# Altium PCB PCB.PcbDoc (part 1 of 2)
Units mm, origin at the board's own origin, x right, y up, seen from the top; angles counter-clockwise.
Board outline 90 x 90 mm, 4 copper layers (Component Side, Power, Ground Plane, Solder Side), stack 1.474 mm thick; 113 components, 123 nets, 573 pads, 264 vias.
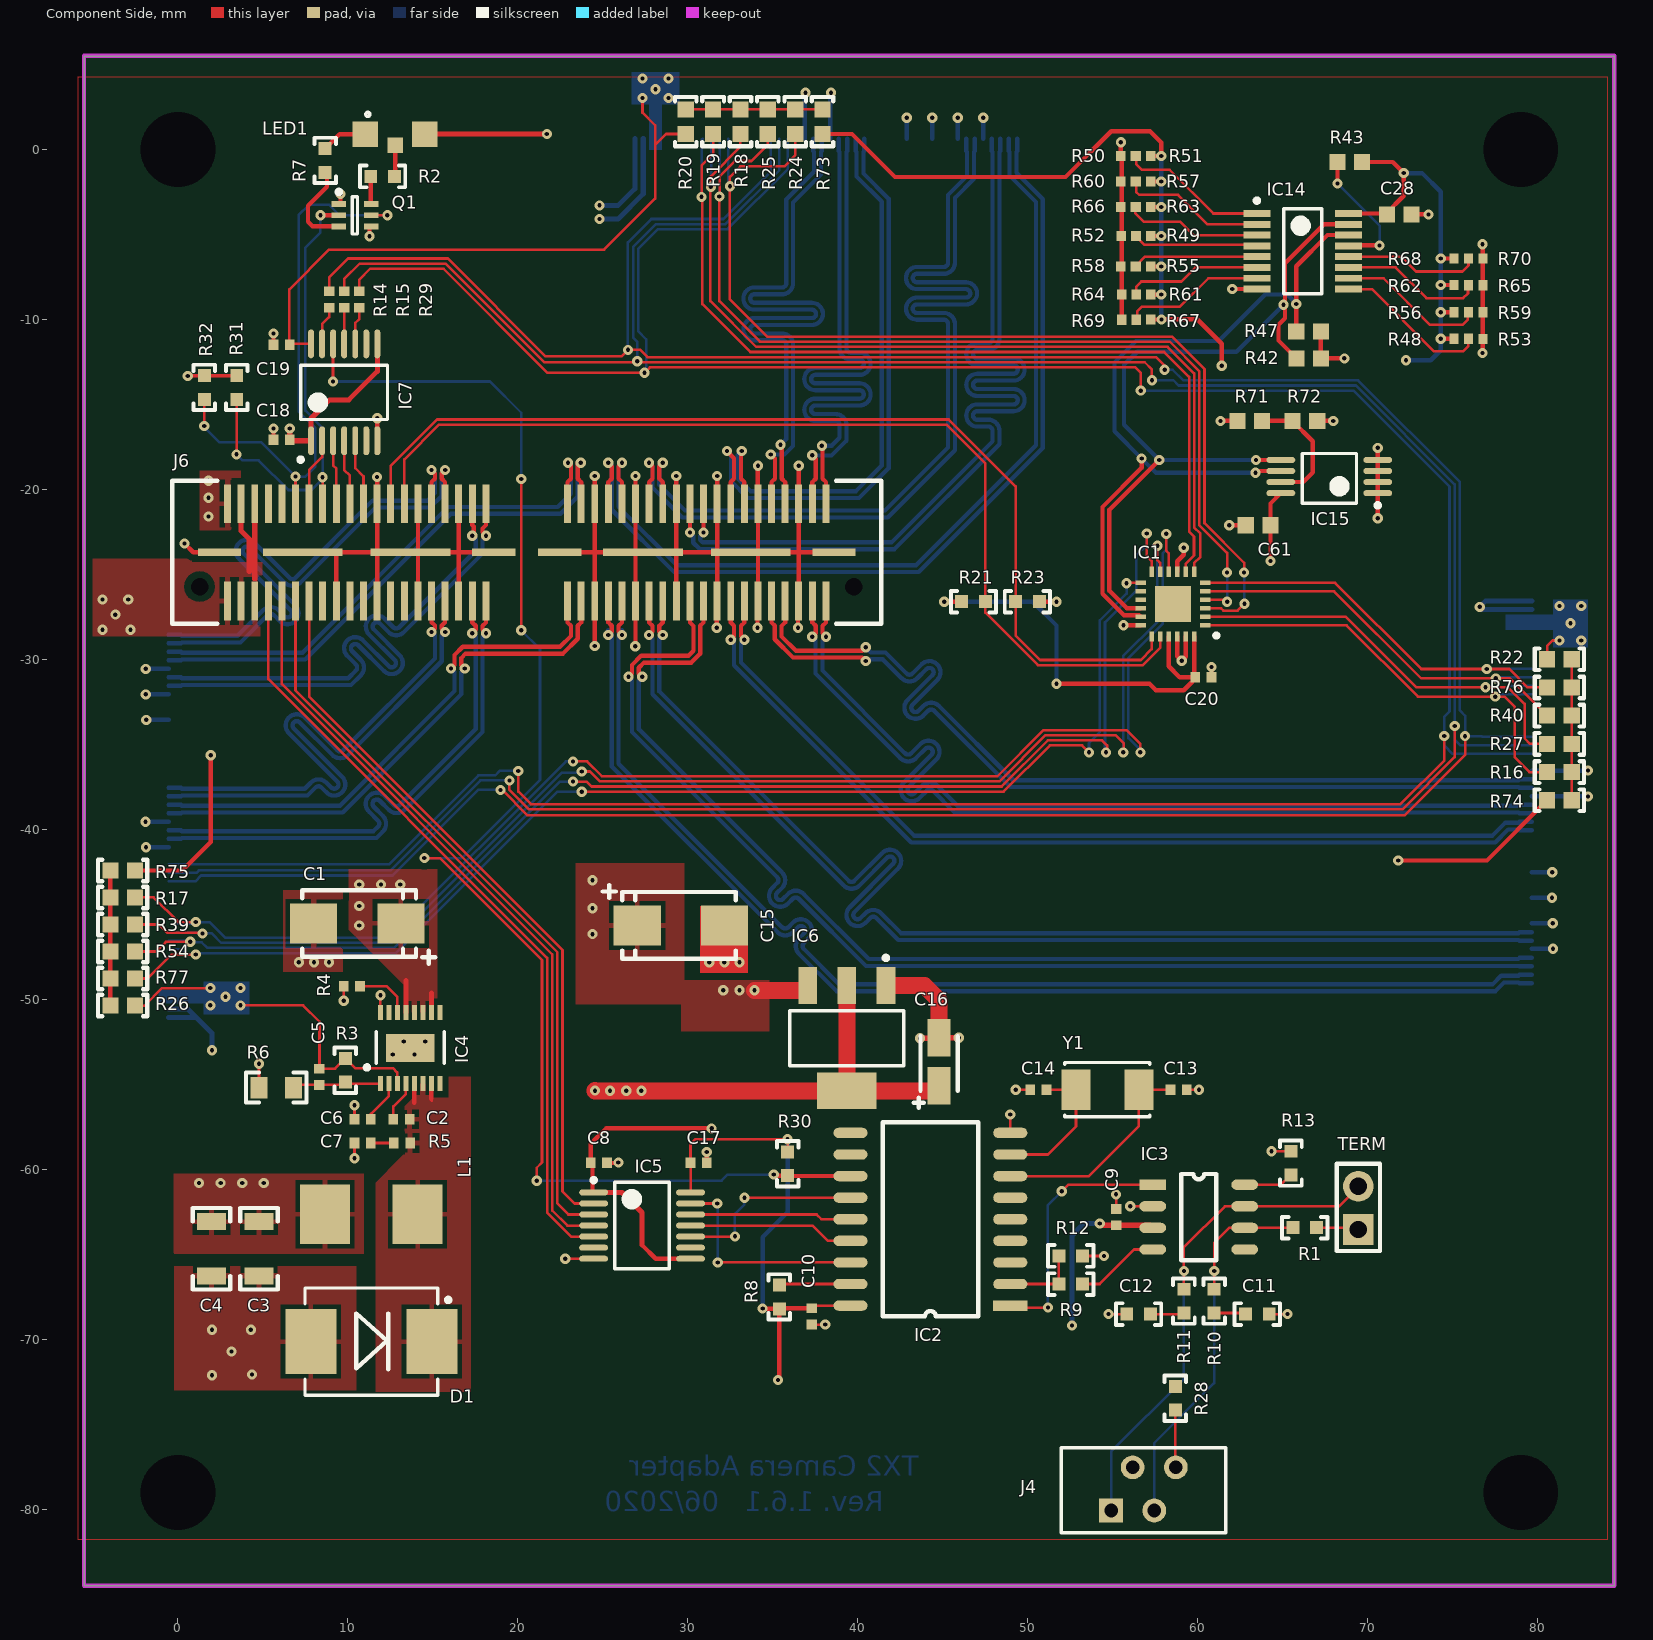
[diagram p0: Component Side view]
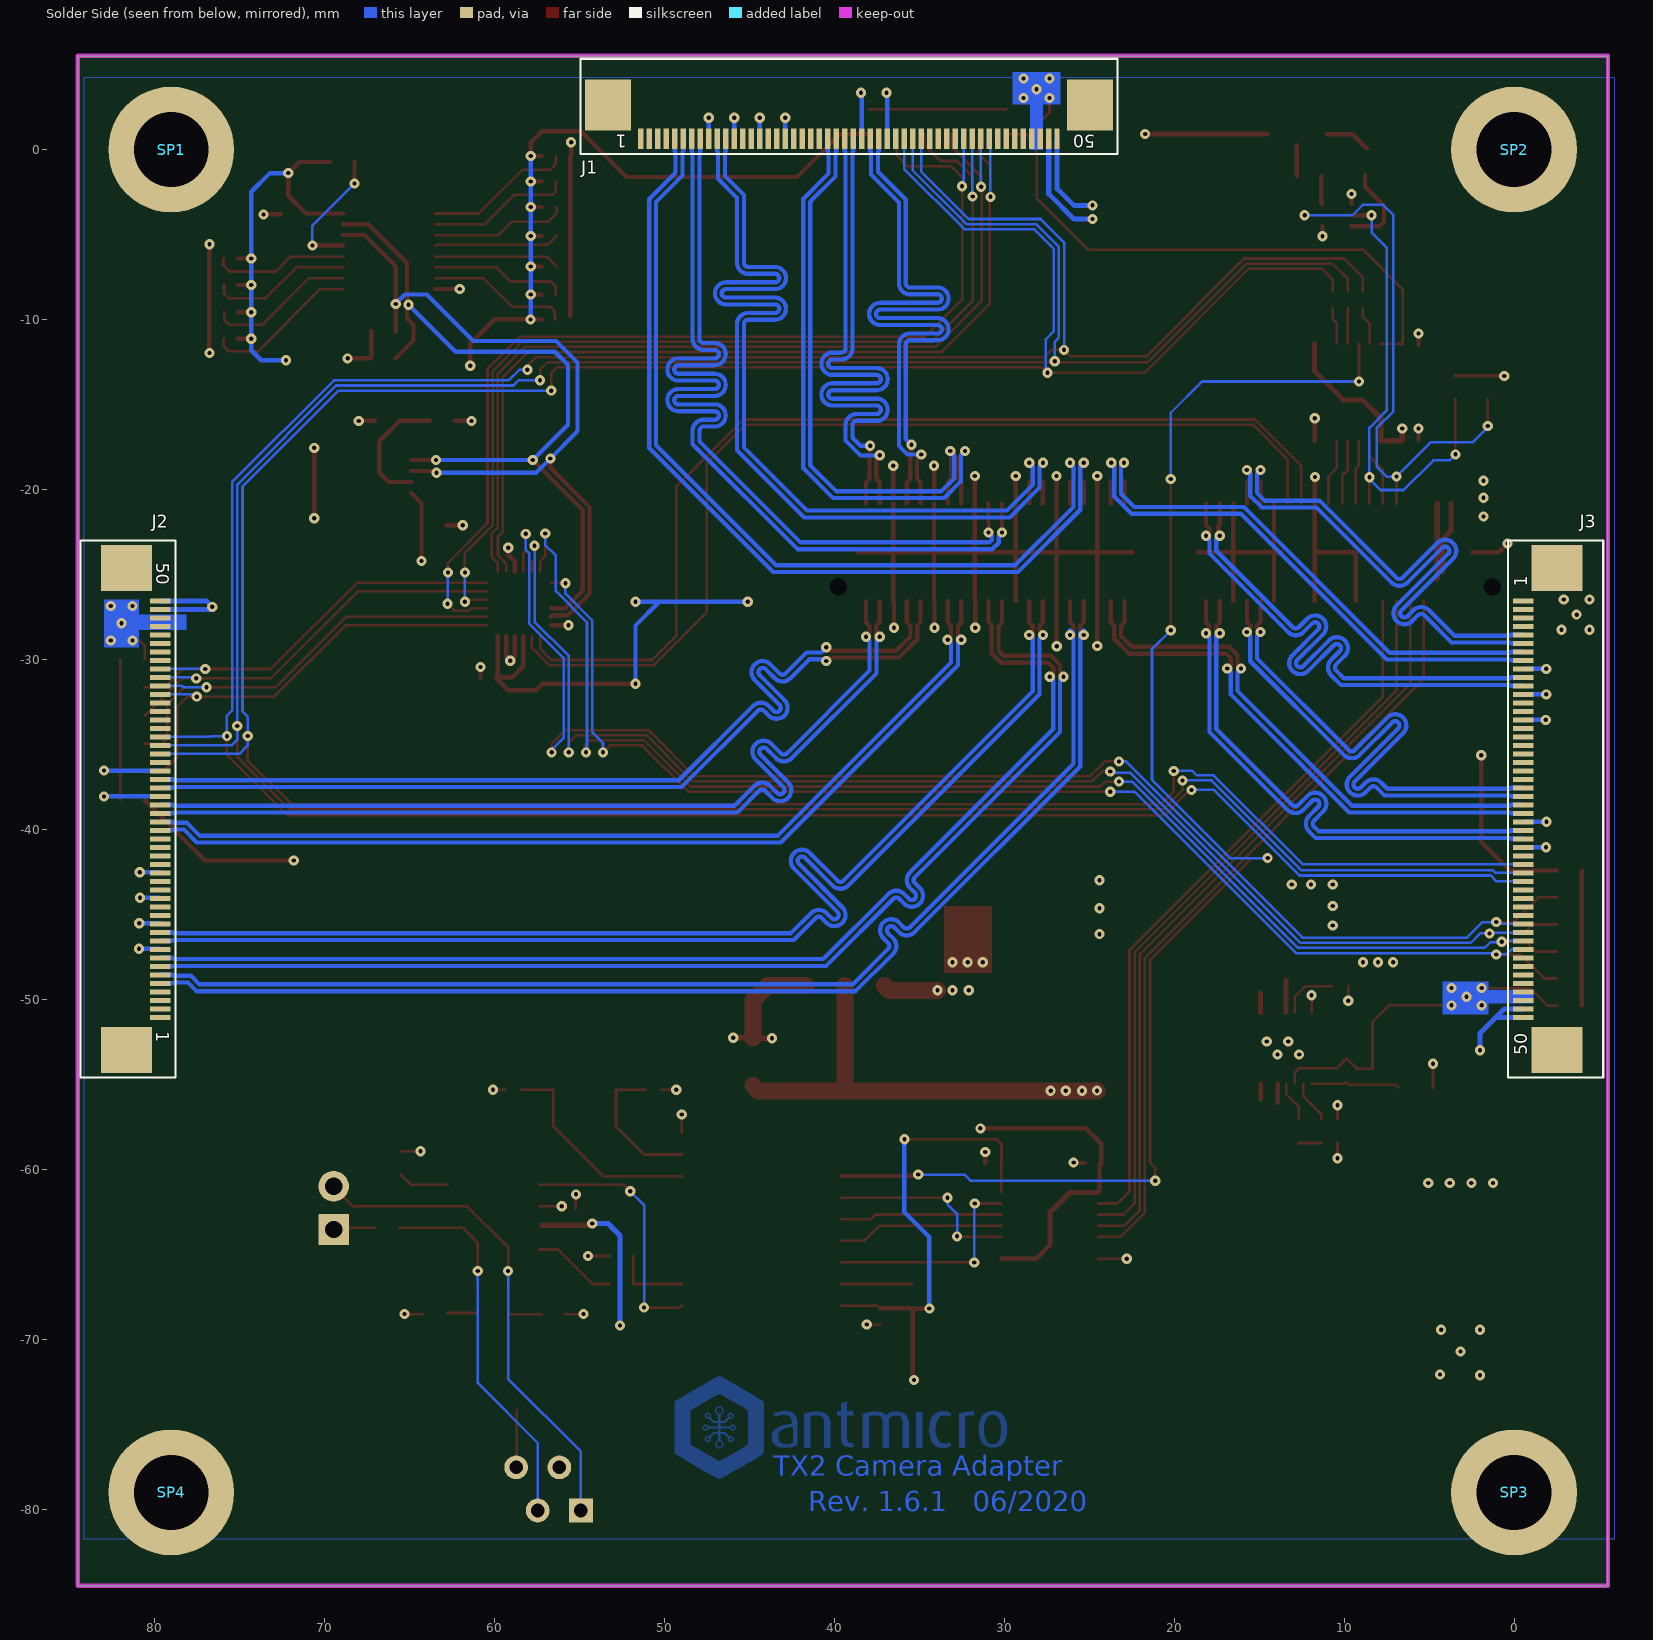
[diagram p1: Solder Side view, seen from below]
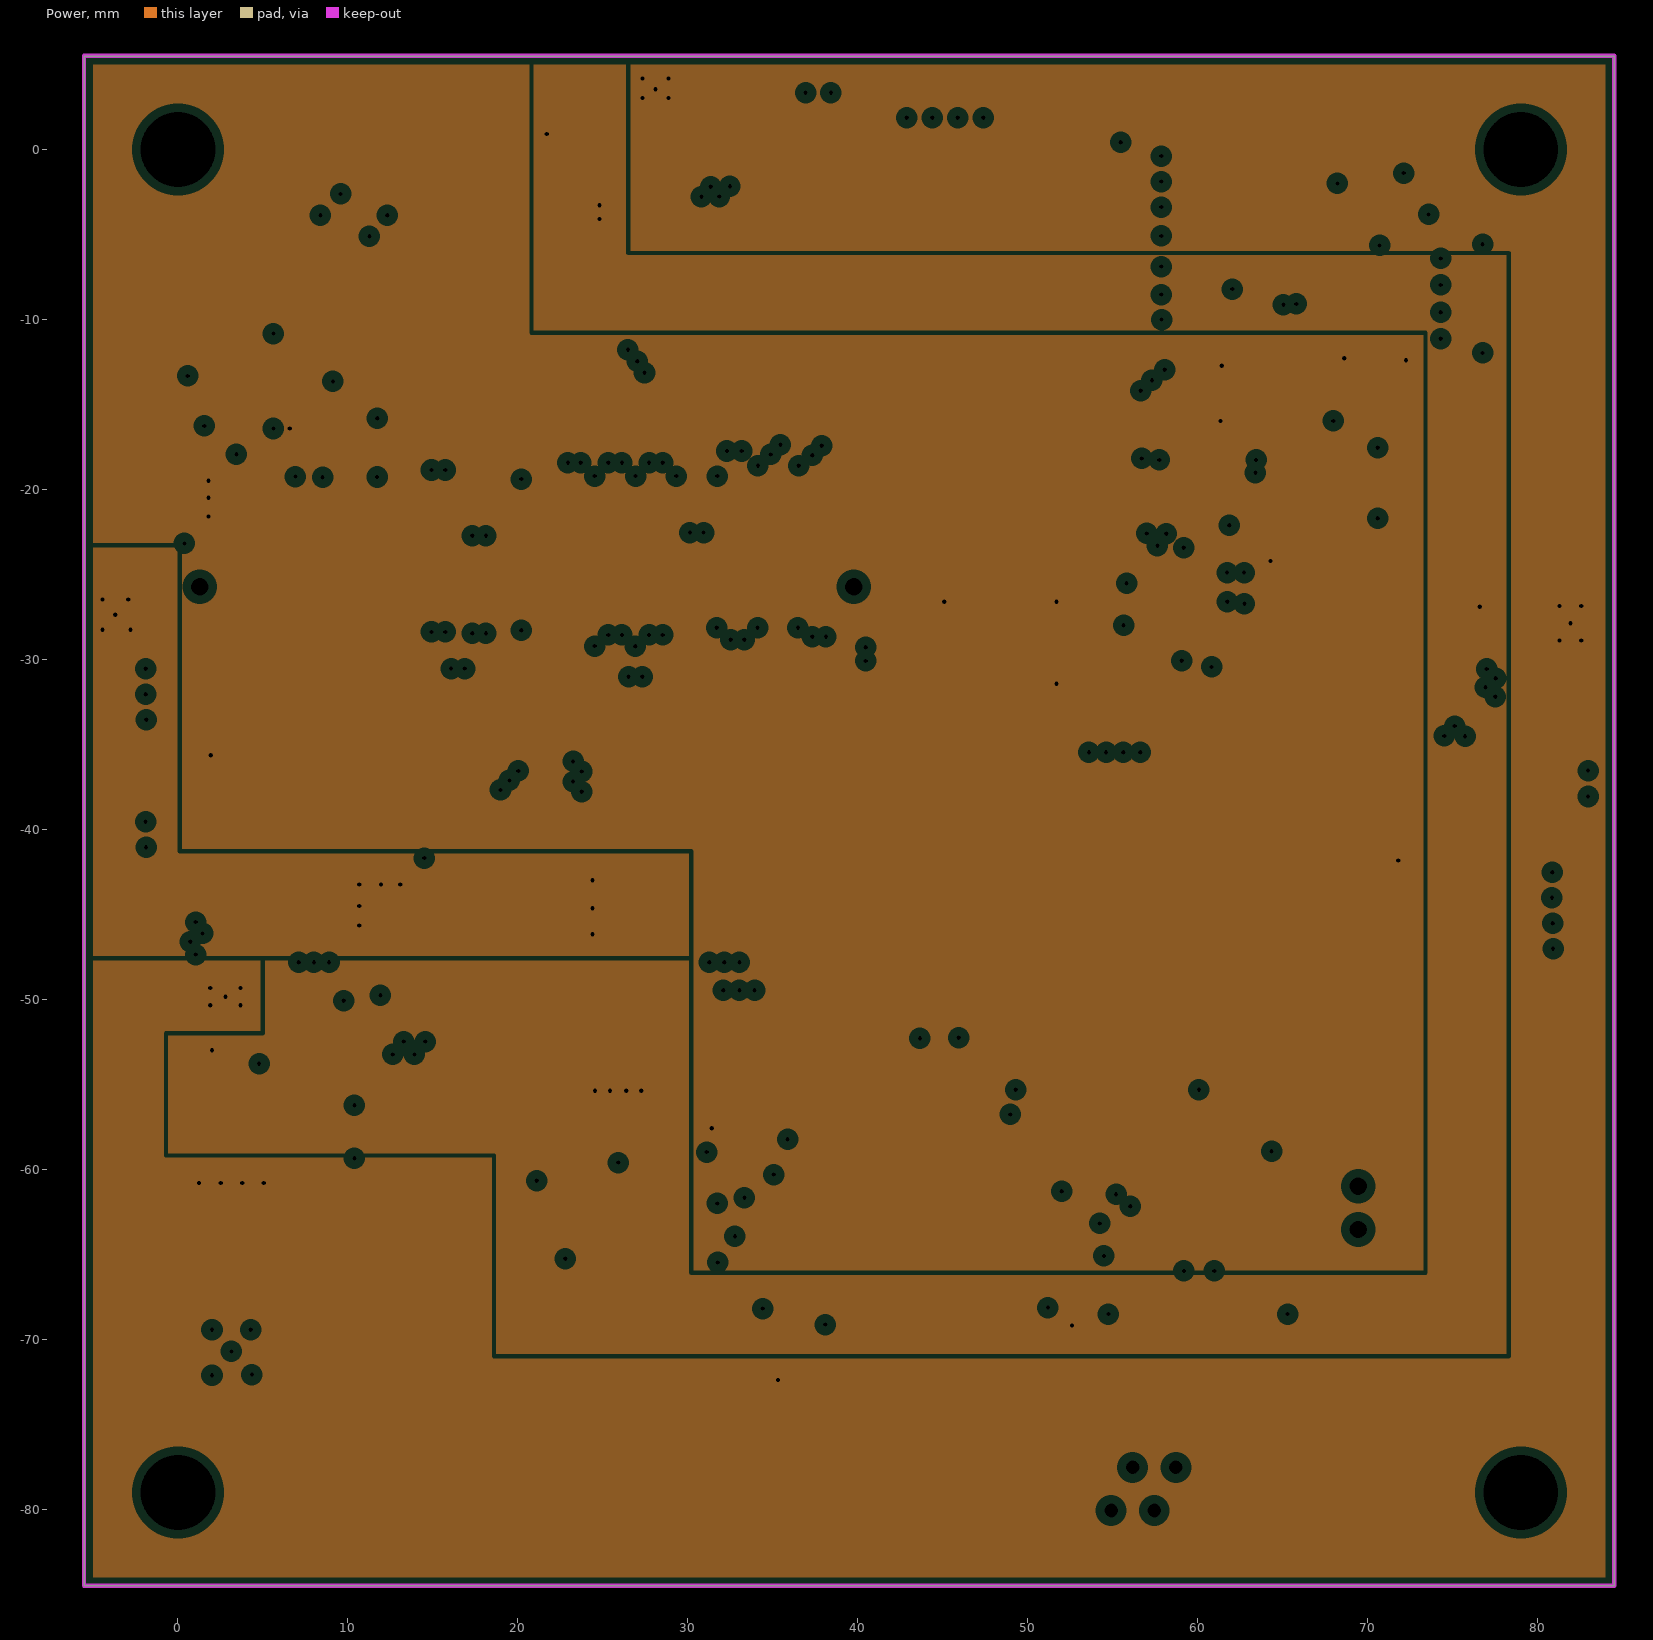
[diagram p2: Power, clearances drawn from the general rule]
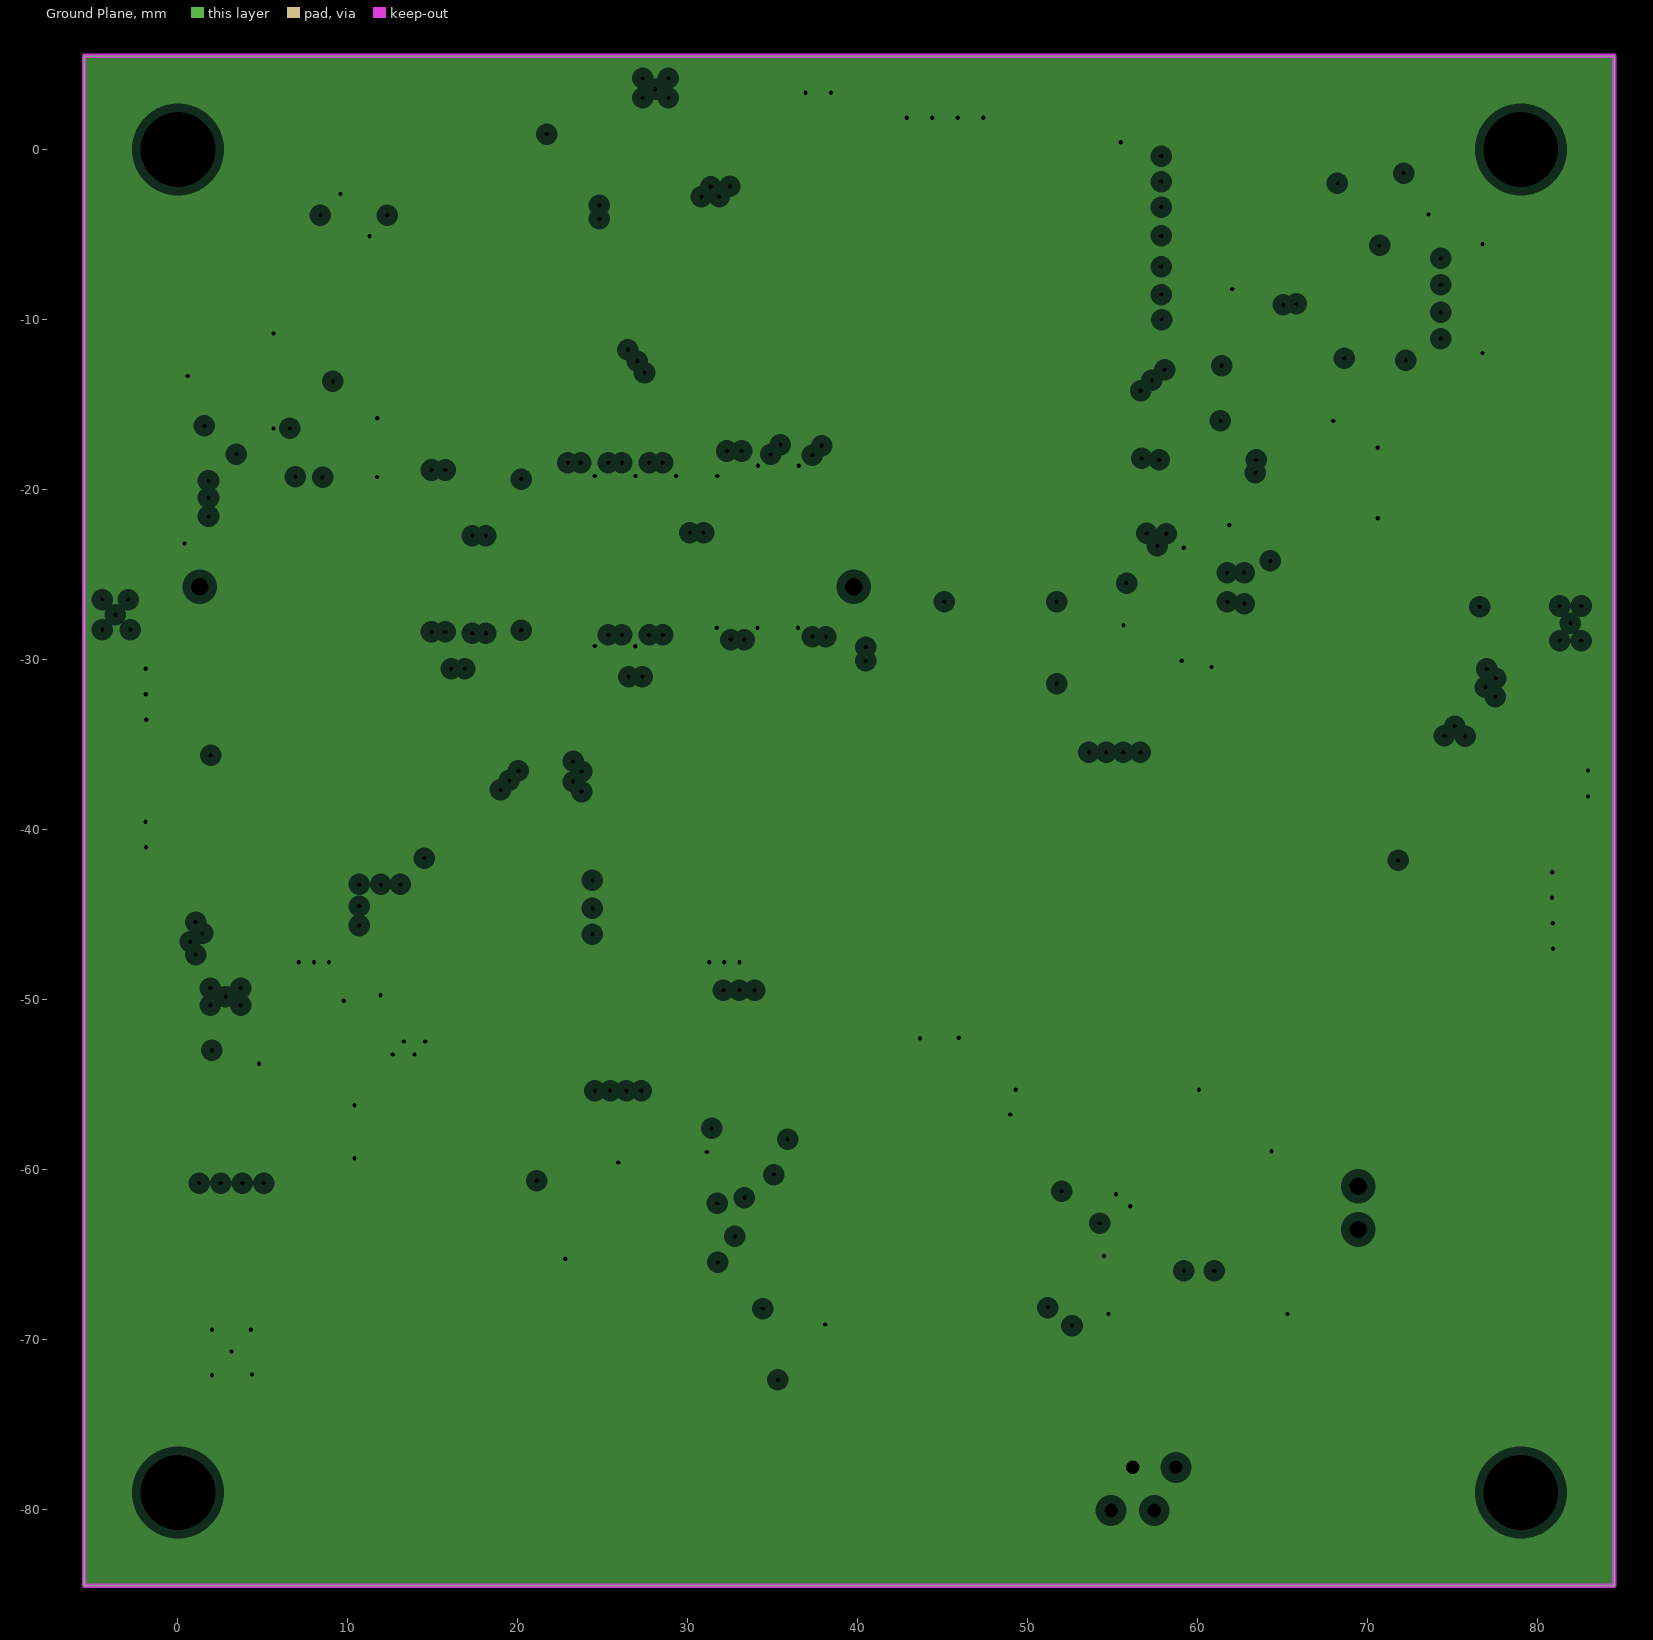
[diagram p3: Ground Plane, clearances drawn from the general rule]
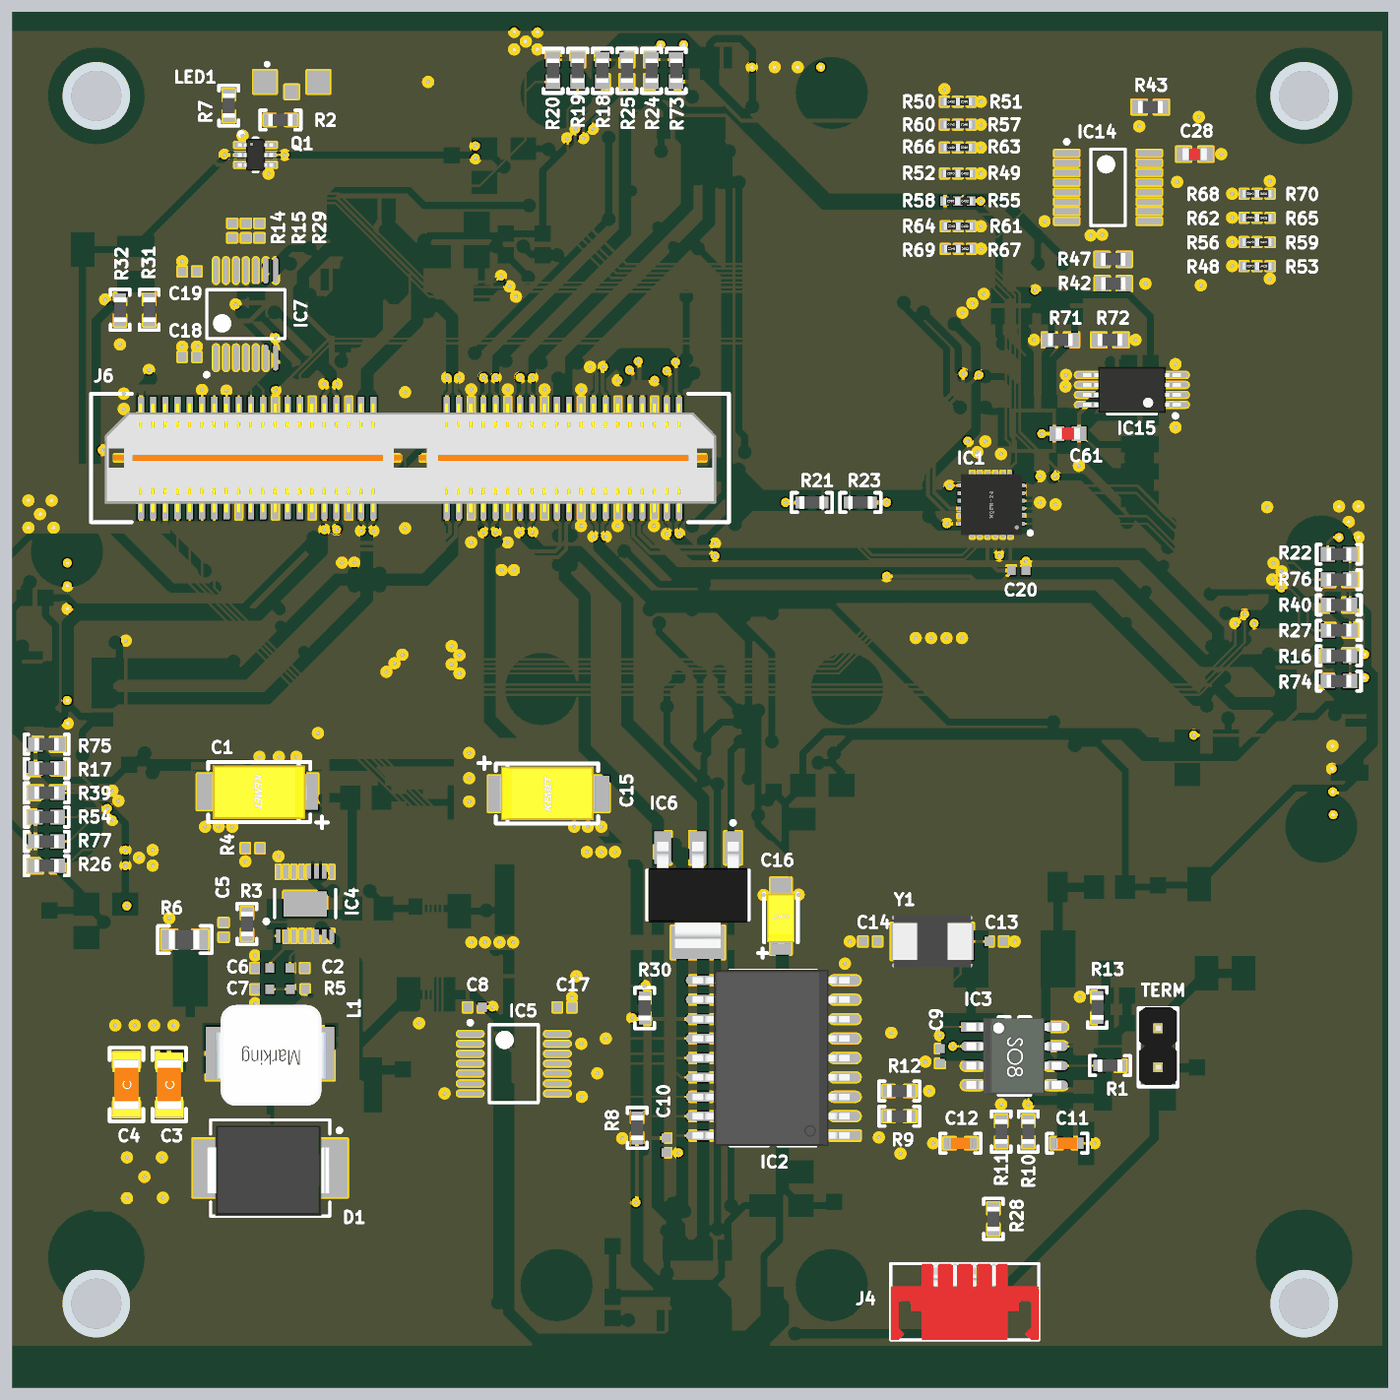
[diagram p5: 3D render of the assembled board from above, using the file's embedded part models]
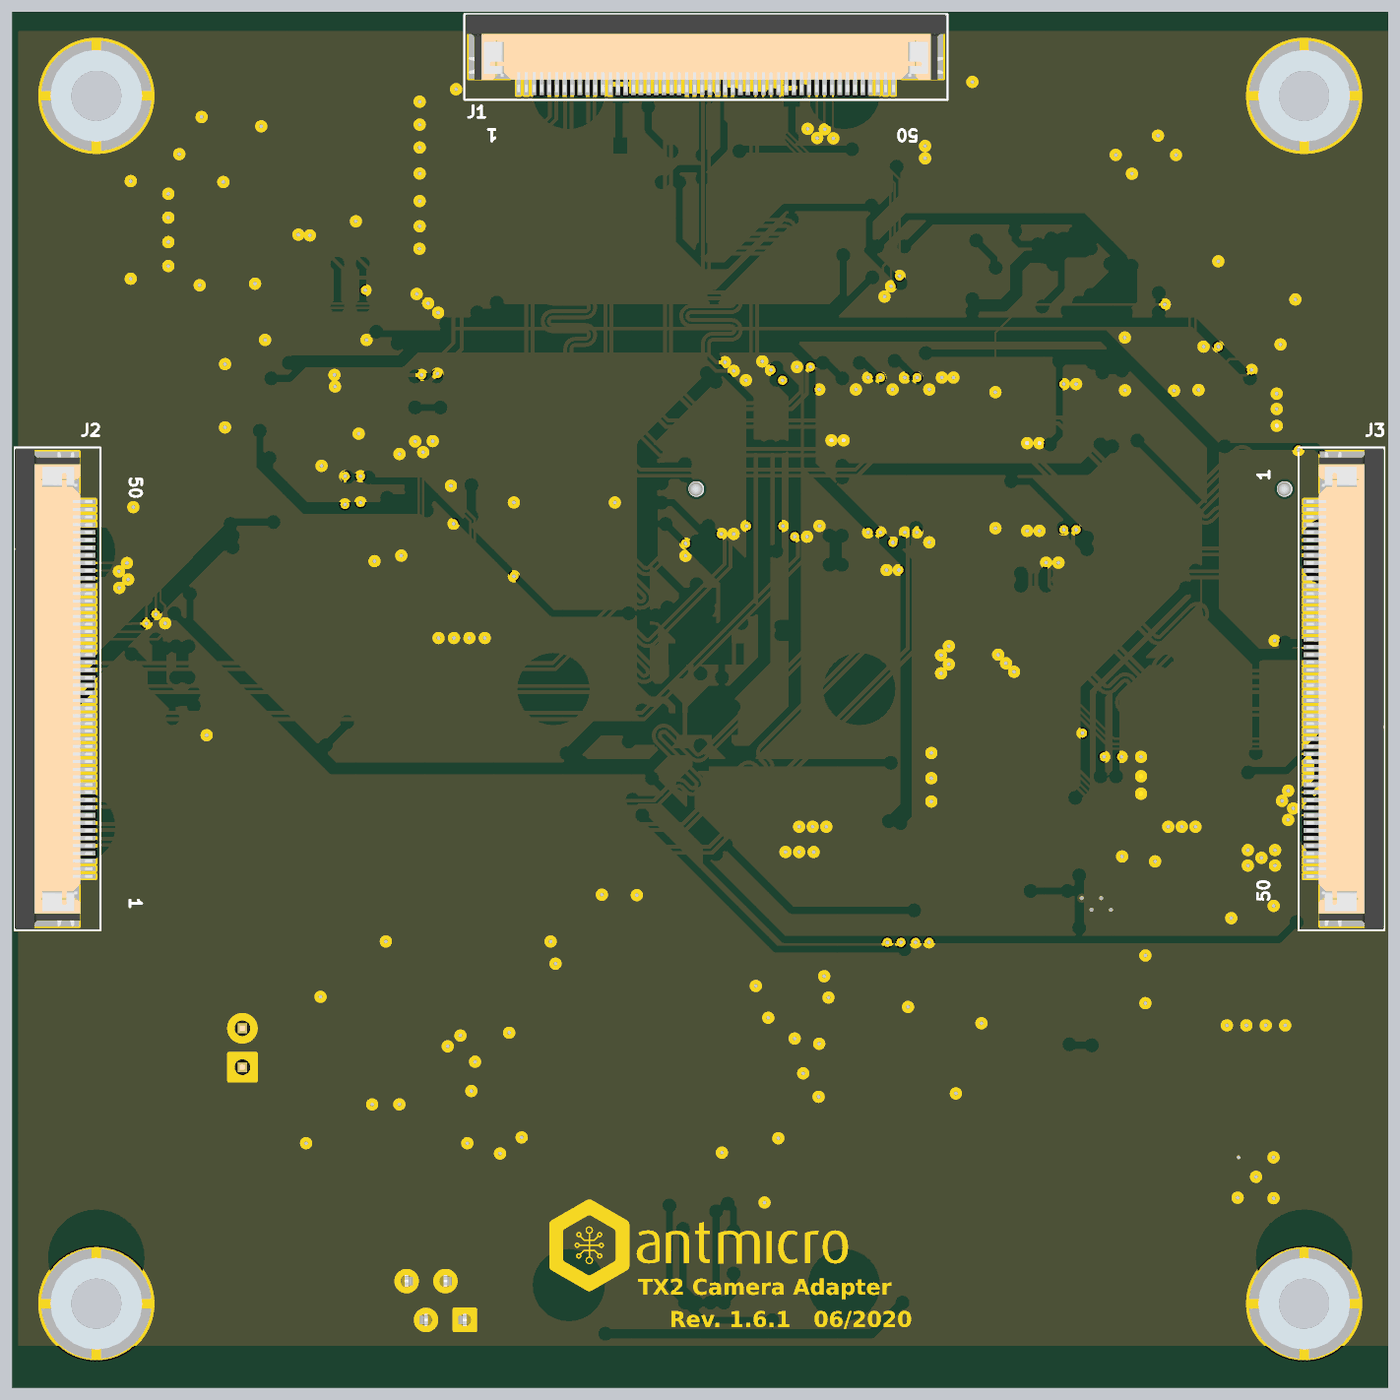
[diagram p6: 3D render of the assembled board from below, using the file's embedded part models]

## Layer stack, top to bottom
Top Solder: solder mask 0.0102, Solder Resist, Dk 3.5
Component Side: signal copper 0.035
Dielectric 1: prepreg 0.22, Dk 4.29
Power: plane copper 0.035, net (Multiple Nets)
Dielectric 4: core 0.894, Dk 3.96
Ground Plane: plane copper 0.035, net GND
Dielectric 3: prepreg 0.22, Dk 4.29
Solder Side: signal copper 0.035
Bottom Solder: solder mask 0.0102, Solder Resist, Dk 3.5

## Board outline
-5.5,-84.5 -5.5,5.5 84.5,5.5 84.5,-84.5

## Design rules (kind name [scope] priority, off if disabled: settings)
Clearance PolyClearance [InPolygon] p1: gap=0.381
Clearance [All] p2: gap=0.15
DiffPairsRouting [All] p1: maxlimit=0.152 minlimit=0.152 mostfreqgap=0.152 toplayer_minwidth=0.25 toplayer_maxwidth=0.25 toplayer_prefwidth=0.25 bottomlayer_minwidth=0.25 bottomlayer_maxwidth=0.25 bottomlayer_prefwidth=0.25 maxuncoupledlength=30
HoleSize [All] p1: absolutevalues=TRUE maxlimit=3.81 minlimit=0.25 maxpercent=80.000 minpercent=20.000
MinimumAnnularRing [All] p1: minimumring=0.125
MinimumSolderMaskSliver [All] p1: minsoldermaskwidth=0
PlaneClearance [InPolygon] p1: clearance=1
PlaneConnect [All] p1: planeconnectstyle=Direct reliefexpansion=0.508 reliefentries=4 reliefconductorwidth=0.254 reliefairgap=0.254
PolygonConnect Polygon_GND_Via [isVia] p1: connectstyle=Direct reliefconductorwidth=0.254 reliefentries=4 polygonreliefangle="90 Angle" airgapwidth=0.254
PolygonConnect PolygonConnect_3V3 [InNet('3V3')] p2: connectstyle=Relief reliefconductorwidth=0.3 reliefentries=4 polygonreliefangle="90 Angle" airgapwidth=0.254
PolygonConnect PolygonConnect_VIN [InNet('VIN_MOD')] p3: connectstyle=Relief reliefconductorwidth=0.3 reliefentries=4 polygonreliefangle="90 Angle" airgapwidth=0.254
PolygonConnect [All] p4: connectstyle=Relief reliefconductorwidth=0.3 reliefentries=4 polygonreliefangle="90 Angle" airgapwidth=0.254
RoutingVias [All] p1: holewidth=0.25 width=0.6 viastyle="Through Hole" minholewidth=0.25 minwidth=0.6 maxholewidth=0.25 maxwidth=0.6
SilkToSilkClearance [All] p1: silktosilkclearance=0.203
SilkToSolderMaskClearance [IsPad] p1: minsilkscreentomaskgap=0.035 clearancetoexposedcopper=TRUE
SolderMaskExpansion TentVias [isVia] p1: expansion=-0.3
SolderMaskExpansion [All] p2: expansion=0.102
Width [All] p1: maxlimit=1 minlimit=0.152 preferedwidth=0.152 bottomlayer_maxwidth=0.305 minimp=90.000000 maximp=100.000000 favimp=95.000000
22 further rules are at their usual default settings.

## Classes and differential pairs
component class Interface: C1 C2 C3 C4 C5 C6 C7 C8 C17 C18 C19 C20 D1 IC1 IC4 IC5 IC7 J6 L1 R3 R4 R5 R6 R14 R15 R21 R23 R29 SP1 SP2 SP3 SP4
component class Cameras: J1 J2 J3 R16 R17 R18 R19 R20 R22 R24 R25 R26 R27 R39 R40 R54 R73 R74 R75 R76 R77
component class CAN: C9 C10 C11 C12 C13 C14 C15 C16 IC2 IC3 IC6 J4 LED1 Q1 R1 R2 R7 R8 R9 R10 R11 R12 R13 R28 R30 R31 R32 TERM Y1
component class ID-Serial: C28 C61 IC14 IC15 R42 R43 R47 R48 R49 R50 R51 R52 R53 R55 R56 R57 R58 R59 R60 R61 R62 R63 R64 R65 R66 R67 R68 R69 R70 R71 R72
differential pair CSI0_CLK: +CSI0_CLK_P -CSI0_CLK_N
differential pair CSI0_D0: +CSI0_D0_P -CSI0_D0_N
differential pair CSI0_D1: +CSI0_D1_P -CSI0_D1_N
differential pair CSI1_CLK: +CSI1_CLK_P -CSI1_CLK_N
differential pair CSI1_D0: +CSI1_D0_P -CSI1_D0_N
differential pair CSI1_D1: +CSI1_D1_P -CSI1_D1_N
differential pair CSI2_CLK: +CSI2_CLK_P -CSI2_CLK_N
differential pair CSI2_D0: +CSI2_D0_P -CSI2_D0_N
differential pair CSI2_D1: +CSI2_D1_P -CSI2_D1_N
differential pair CSI3_CLK: +CSI3_CLK_P -CSI3_CLK_N
differential pair CSI3_D0: +CSI3_D0_P -CSI3_D0_N
differential pair CSI3_D1: +CSI3_D1_P -CSI3_D1_N
differential pair CSI4_CLK: +CSI4_CLK_P -CSI4_CLK_N
differential pair CSI4_D0: +CSI4_D0_P -CSI4_D0_N
differential pair CSI4_D1: +CSI4_D1_P -CSI4_D1_N
differential pair CSI5_CLK: +CSI5_CLK_P -CSI5_CLK_N
differential pair CSI5_D0: +CSI5_D0_P -CSI5_D0_N
differential pair CSI5_D1: +CSI5_D1_P -CSI5_D1_N

## Components (designator, comment, footprint, x,y, rotation, side; value= is the part's Value field where it differs from the comment)
C1 "22u" KEMET_C 10.541,-45.52 r180 top
C2 "470n/16V" 0402#1 13.15,-57.045 r180 top
C3 "47u" 1206 4.768,-64.665 r90 top
C4 "47u" 1206 1.974,-64.665 r90 top
C5 "10p" 0402#1 8.324,-54.547 r270 top
C6 "10n" 0402#1 10.864,-57.045 r0 top
C7 "470p" 0402#1 10.864,-58.442 r0 top
C8 "100n" 0402#1 24.765,-59.617 r180 top
C9 "100n" 0402#1 55.187,-62.802 r90 top
C10 "100n" 0402#1 37.28,-68.644 r270 top
C11 "560p" 0603#1 63.5,-68.507 r180 top
C12 "560p" 0603#1 56.515,-68.507 r0 top
C13 "18p" 0402#1 58.87,-55.309 r180 top
C14 "18p" 0402#1 50.615,-55.309 r0 top
C15 "CPol" KEMET_C 29.591,-45.647 r0 top
C16 "10u" KEMET_A 44.778,-53.662 r90 top
C17 "100n" 0402#1 30.632,-59.617 r0 top
C18 "100n" 0402#1 6.096,-17.072 r0 top
C19 "100n" 0402#1 6.096,-11.484 r180 top
C20 "100n" 0402#1 60.325,-31.042 r180 top
C28 "100n" 0603#2 71.845,-3.812 r180 top
C61 "100n" 0603#2 63.545,-22.097 r0 top
D1 "MBRS540T3G" SMC-403-03 11.372,-70.126 r0 top
IC1 "TCA9548ARGER" VQFN-24 58.536,-26.738 r270 top
IC2 "MCP2515" SOIC-18 48.964,-68.009 r180 top
IC3 "MCP2551" SOIC-8 57.346,-60.897 r0 top
IC4 "LT3976EMSE#PBF" LT3976EMSE 13.658,-52.854 r90 top
IC5 "NTS0104PW" TSSOP-14 27.305,-63.3 r0 top
IC6 "xx1117" SOT223 39.348,-52.277 r180 top
IC7 "NTS0104PW" TSSOP-14 9.779,-14.278 r90 top
IC14 "TCA9554A" DBQ0016A 66.171,-5.982 r0 top
IC15 "RM24C128DS-LTAI-B" TSSOP-8 67.732,-19.233 r180 top
J1 "68715014522" 68715014522_FLIPPED 39.125,1.633 r0 bottom locked
J2 "68715014522" 68715014522_FLIPPED 80.633,-38.799 r270 bottom locked
J3 "68715014522" 68715014522_FLIPPED -1.54,-38.799 r90 bottom locked
J4 "WE_690368190472" WE_690368190472 56.8,-78.794 r0 top
J6 "QTE-040-03-L-D-A" QTE-040-03-L-D-A 20.516,-23.686 r180 top locked
L1 "74437346033" WE-LHMI 11.372,-62.633 r180 top
LED1 "LED-LiteON-LTST-S326KGJRKT" LED-LiteON-LTST-S326KGJRKT 12.776,0.911 r0 top
Q1 "Si1922EDH" SOT-363 10.414,-3.864 r0 top
R1 "120R" 0603#1 66.294,-63.427 r0 top
R2 "470R" 0603#1 12.04,-1.578 r0 top
R3 "1M" 0603#1 9.848,-54.166 r270 top
R4 "130k" 0402#1 10.229,-49.213 r0 top
R5 "2R" 0402#1 13.178,-58.442 r0 top
R6 "576k" 0805 5.784,-55.182 r0 top
R7 "470R" 0603#1 8.661,-0.638 r90 top
R8 "4k7" 0603#1 35.375,-67.501 r270 top
R9 "10k" 0603#1 52.52,-66.739 r0 top
R10 "100R" 0603#1 60.96,-67.745 r90 top
R11 "100R" 0603#1 59.182,-67.745 r90 top
R12 "18k" 0603#1 52.52,-65.088 r180 top
R13 "4k7" 0603#1 65.474,-59.627 r270 top
R14 "0R" 0402#1 8.89,-8.817 r90 top
R15 "0R" 0402#1 9.779,-8.817 r90 top
R16 "2k" 0603#2 81.271,-36.622 r0 top
R17 "2k" 0603#2 -3.254,-43.997 r180 top
R18 "2k" 0603#2 33.091,1.643 r90 top
R19 "2k" 0603#2 31.481,1.643 r90 top
R20 "0R" 0603#2 29.871,1.643 r90 top
R21 "2k" 0603#3 46.101,-26.597 r0 top
R22 "0R" 0603#2 81.271,-29.982 r0 top
R23 "2k" 0603#3 50.673,-26.597 r180 top
R24 "2k" 0603#2 36.311,1.643 r90 top
R25 "2k" 0603#2 34.701,1.643 r90 top
R26 "0R" 0603#2 -3.254,-50.357 r180 top
R27 "2k" 0603#2 81.271,-34.962 r0 top
R28 "0R" 0603#1 58.674,-73.46 r270 top
R29 "0R" 0402#1 10.668,-8.817 r90 top
R30 "10k" 0603#1 35.865,-59.668 r90 top
R31 "2k" 0603#1 3.459,-13.993 r90 top
R32 "2k" 0603#1 1.553,-13.993 r90 top
R39 "2k" 0603#2 -3.254,-45.587 r180 top
R40 "2k" 0603#2 81.271,-33.302 r0 top
R42 "2k2" 0603#2 66.52,-12.283 r0 top
R43 "2k2" 0603#2 68.939,-0.733 r0 top
R47 "2k2" 0603#2 66.51,-10.693 r0 top
R48 "0R" 0402#2 75.496,-11.132 r180 top
R49 "0R" 0402#2 56.796,-5.082 r0 top
R50 "0R" 0402#2 55.896,-0.382 r0 top
R51 "0R" 0402#2 56.796,-0.382 r180 top
R52 "0R" 0402#2 55.916,-5.082 r180 top
R53 "0R" 0402#2 76.346,-11.145 r0 top
R54 "2k" 0603#2 -3.254,-47.177 r180 top
R55 "0R" 0402#2 56.796,-6.882 r0 top
R56 "0R" 0402#2 75.496,-9.567 r180 top
R57 "0R" 0402#2 56.796,-1.882 r180 top
R58 "0R" 0402#2 55.896,-6.882 r180 top
R59 "0R" 0402#2 76.346,-9.573 r0 top
R60 "0R" 0402#2 55.896,-1.882 r0 top
R61 "0R" 0402#2 56.796,-8.532 r0 top
R62 "0R" 0402#2 75.496,-7.966 r180 top
R63 "0R" 0402#2 56.796,-3.382 r180 top
R64 "0R" 0402#2 55.953,-8.53 r180 top
R65 "0R" 0402#2 76.346,-7.979 r0 top
R66 "0R" 0402#2 55.896,-3.382 r0 top
R67 "0R" 0402#2 56.81,-9.999 r0 top
R68 "0R" 0402#2 75.496,-6.407 r180 top
R69 "0R" 0402#2 55.956,-10.006 r180 top
R70 "0R" 0402#2 76.346,-6.407 r0 top
R71 "0R" 0603#2 63.058,-15.962 r180 top
R72 "0R" 0603#2 66.295,-15.962 r180 top
R73 "0R" 0603#2 37.921,1.643 r90 top
R74 "0R" 0603#2 81.271,-38.282 r0 top
R75 "0R" 0603#2 -3.254,-42.407 r180 top
R76 "2k" 0603#2 81.271,-31.642 r0 top
R77 "2k" 0603#2 -3.254,-48.767 r180 top
SP1 "9774030960R" 9774030960 79,0 r180 bottom
SP2 "9774030960R" 9774030960 0,0 r180 bottom
SP3 "9774030960R" 9774030960 0,-79 r180 bottom